# Altium PCB BGA_ACUity.PcbDoc (part 6 of 6)
Units mm, origin at the board's own origin, x right, y up, seen from the top; angles counter-clockwise.
Board outline 100 x 100.02 mm, 4 copper layers (TopSignal, Ground, Power, BottomSignal), stack 1.564 mm thick; 445 components, 325 nets, 2065 pads, 376 vias.
Unrouted connection lines stored in the file: 419.
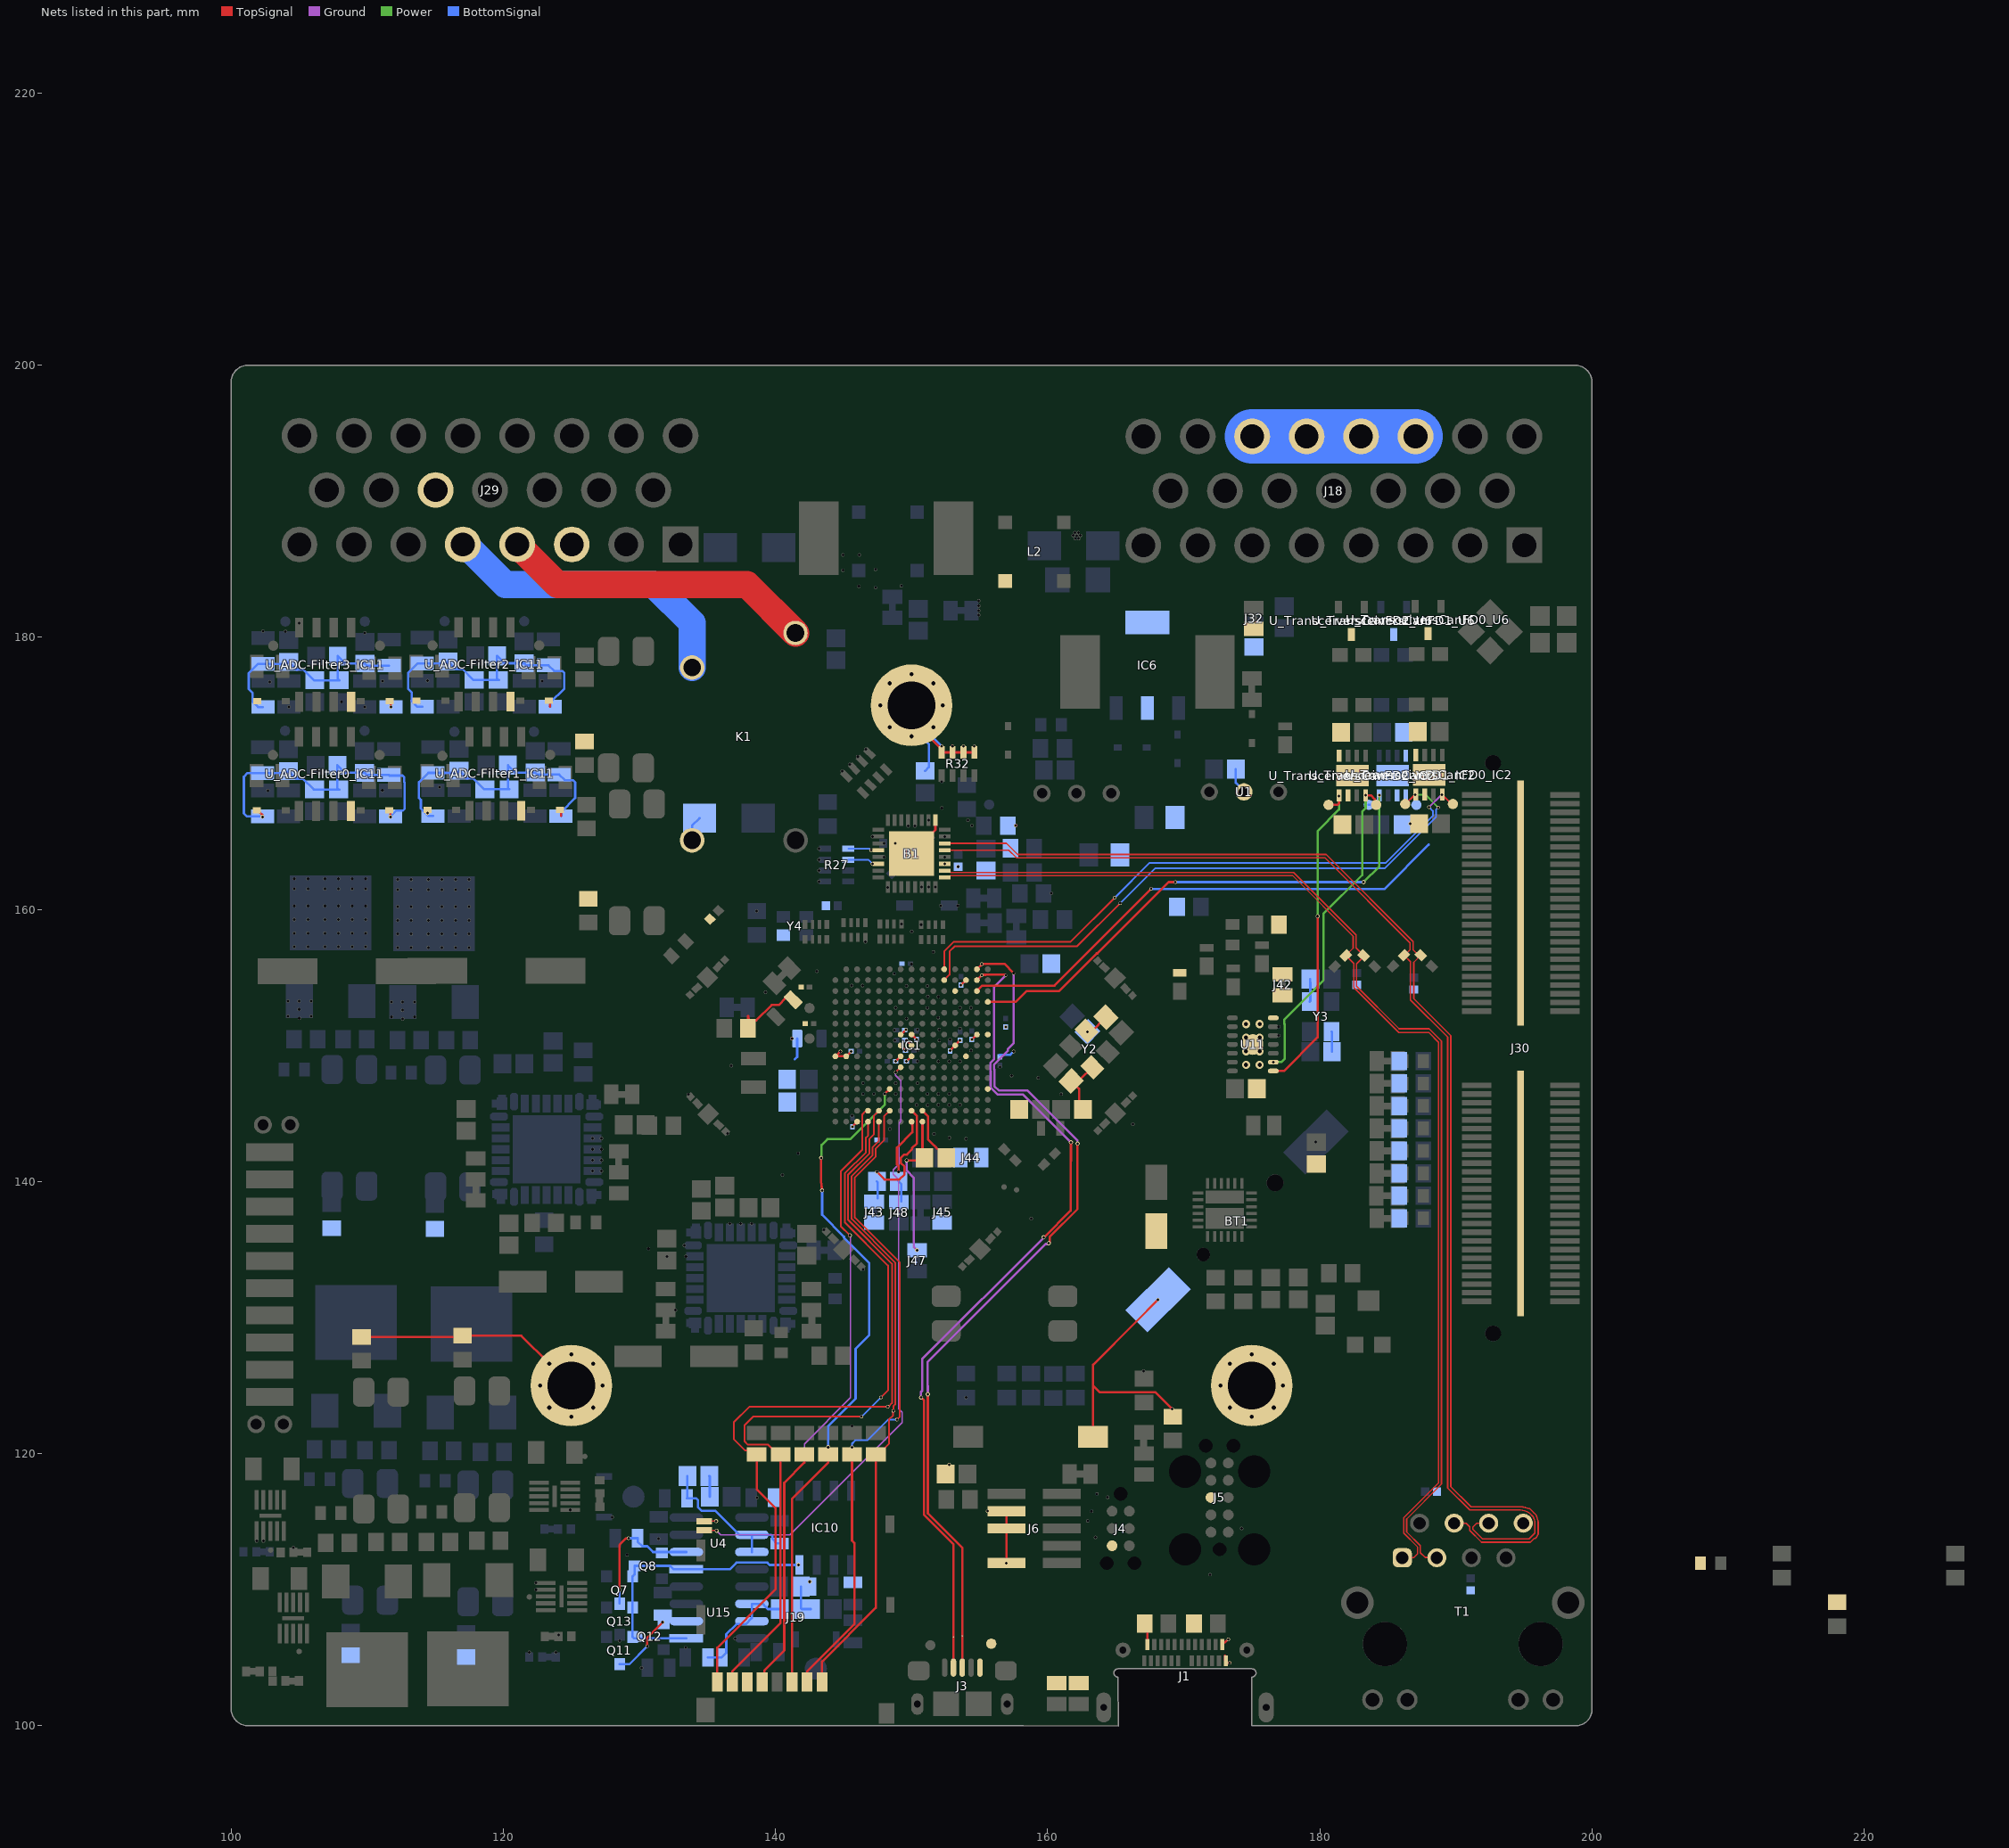
[diagram p8: the nets of this part, all layers, seen from the top]

## Via types
v1: diameter 0.3, hole 0.2, TopSignal to BottomSignal, tented both sides, 223 vias
v2: diameter 0.25/0.25/0.25/0.25 (per signal layer), hole 0.2, TopSignal to BottomSignal, tented both sides, 63 vias
v3: diameter 0.5, hole 0.2, TopSignal to BottomSignal, 32 vias
v4: diameter 0.5, hole 0.3, TopSignal to BottomSignal, 24 vias
v5: diameter 0.3, hole 0.2, TopSignal to BottomSignal, 15 vias
v6: diameter 0.3/0.3/0.3/0.3 (per signal layer), hole 0.2, TopSignal to BottomSignal, tented both sides, 11 vias
v7: diameter 0.6, hole 0.3, TopSignal to BottomSignal, 8 vias

## Nets (pads, with @x,y where several pads share a name; then routed paths per layer and width w, separated by ;. In a path a pad name is that pad's centre, name@x,y a point inside that pad or via, vN(x,y) a via of type N, cw(c..) or ccw(c..) an arc to the next point about the centre after c; other vN are vias at no path point) (continued)
RX_CAN0: IC1.A11 pad.1@164.922,160.858 pad.1@188.02,167.513 pad.1@188.963,168.426 U_TransceiversCanFD0_IC2.4 U_TransceiversCanFD0_TP6.P2 | length 44.5
  TopSignal w0.131: IC1.A11@152.4,155.6 152.4,156.921 153.103,157.624 161.688,157.624 pad.1@164.922,160.858 ; U_TransceiversCanFD0_IC2.4@188.995,168.443 188.995,168.426 189.678,167.743 U_TransceiversCanFD0_TP6.P2@189.77,167.743
  Ground w0.131: pad.1@188.02,167.513 188.035,167.513 188.948,168.426 pad.1@188.963,168.426
  BottomSignal w0.131: pad.1@164.922,160.858 167.49,163.425 184.843,163.425 188.296,166.878 188.296,167.237 pad.1@188.02,167.513
RX_CAN1: IC1.D15 pad.1@169.384,162.004 U_TransceiversCanFD1_IC2.4 U_TransceiversCanFD1_TP6.P2 | length 39.5
  TopSignal w0.171: IC1.D15@155.6,153.2 157.645,153.2 158.451,154.006 160.843,154.006 163.6,156.763 163.647,156.763 168.885,162.001 169.367,162.001 pad.1@169.384,162.004
  Power w0.171: v1(183.213,162.004) 184.366,163.157 v1(184.366,168.384)
  BottomSignal w0.171: pad.1@169.384,162.004 v1(183.213,162.004) ; U_TransceiversCanFD1_TP6.P2@183.591,167.684 184.266,167.684 184.366,167.784 v1(184.366,168.384)
RX_CAN2: U11.2 U_TransceiversCanFD2_IC2.4 U_TransceiversCanFD2_TP6.P2 | length 24
  TopSignal w0.171: v1(183.36,168.383) 183.742,168.383 184.024,168.101 184.024,167.794 U_TransceiversCanFD2_TP6.P2@184.135,167.683
  Power w0.171: v1(176.575,148.775) 177.172,148.775 177.41,149.014 177.41,151.555 177.375,151.591 177.375,151.879 180.267,154.77 180.267,159.674 183.105,162.512 183.105,167.183 183.36,167.438 v1(183.36,168.383)
RXCLK_7: B1.20 pad.1@147.025,164.35 R27.5 | length 1.7
  BottomSignal w0.131: R27.5@145.35,164.45 146.892,164.45 146.993,164.35 pad.1@147.025,164.35
SD_CD: IC1.K7 J19.9 J19.10 pad.1@148.832,148.032 | length 45.9
  TopSignal w0.09: J19.10@134.761,114.379 134.786,114.354 135.655,114.354 v1(135.68,114.329) ; J19.9@134.761,115.039 v1(135.644,115.039) ; pad.1@148.832,148.032 IC1.K7@149.2,148.4
  Ground w0.09: v1(135.68,114.329) 135.97,114.039 141.07,114.039 149.315,122.284 149.315,123.049 149.062,123.302 149.062,140.129 148.655,140.536 148.655,140.864 149.079,141.288 149.079,144.268 149.227,144.416 149.227,147.396 148.832,147.791 pad.1@148.832,148.032
SD_CLK: IC1.P4 J19.5 J56.P0 | length 45.9
  TopSignal w0.131: v5(145.475,136.045) 144.808,136.711 144.808,140.755 146.38,142.327 146.38,144.935 146.589,145.144 146.744,145.144 IC1.P4@146.8,145.2
  TopSignal w0.171: J19.5@139.026,103.214 139.182,103.37 139.182,104.07 140.647,105.535 140.647,117.862 142.125,119.34 J56.P0@142.125,119.95
  Ground w0.09: 142.125,119.95 142.125,120.725 145.515,124.115 145.515,136.005 v5(145.475,136.045)
SD_CMD: IC1.M6 J19.3 J55.P0 pad.1@148.032,146.432 | length 50.4
  TopSignal w0.171: J19.3@141.226,103.214 141.226,116.691 143.875,119.34 v6(143.875,120.475) ; v6(143.361,141.736) 143.361,140.008 v6(143.428,139.348) ; v2(148.032,146.432) IC1.M6@148.4,146.8
  Power w0.171: v6(143.361,141.736) 143.384,141.759 143.384,142.68 143.814,143.11 145.51,143.11 148.032,145.632 v2(148.032,146.432)
  BottomSignal w0.171: v6(143.428,139.348) 143.428,137.551 145.04,135.939 145.04,135.864 146.885,134.019 146.885,128.697 145.888,127.7 145.888,124.038 143.875,122.025 v6(143.875,120.475)
SD_DATA0: IC1.R4 J19.7 J57.P0 pad.1@146.323,122.716 pad.1@147.752,124.13 | length 55.8
  TopSignal w0.131: J57.P0@140.375,119.95 140.175,119.95 139.467,120.658 137.981,120.658 137.733,120.906 137.733,122.094 138.355,122.716 pad.1@146.323,122.716 ; IC1.R4@146.8,144.4 146.8,143.362 146.656,143.218 146.656,142.149 145.097,140.59 145.097,137.009 148.277,133.83 148.277,124.655 pad.1@147.752,124.13
  TopSignal w0.171: J19.7@136.826,103.214 136.826,103.999 140.375,107.548 J57.P0@140.375,119.95
  BottomSignal w0.131: pad.1@146.323,122.716 146.355,122.733 pad.1@147.752,124.13
SD_DATA1: IC1.P5 J19.8 J58.P0 pad.1@148.255,123.445 | length 58.4
  TopSignal w0.131: J58.P0@138.625,119.95 138.342,120.233 137.78,120.233 136.931,121.082 136.931,122.301 138.076,123.445 pad.1@148.255,123.445 148.327,123.478 148.568,123.72 148.568,133.947 145.33,137.186 145.33,140.494 146.888,142.052 146.888,143.122 147.218,143.452 147.218,144.818 IC1.P5@147.6,145.2
  TopSignal w0.171: J19.8@135.726,103.214 135.726,105.741 140.006,110.021 140.006,116.013 138.625,117.394 J58.P0@138.625,119.95
SD_DATA2: IC1.R5 J19.1 J53.P0 pad.1@148.667,123.138 | length 45.7
  TopSignal w0.131: J53.P0@147.375,119.95 147.575,119.95 148.339,120.714 148.339,122.511 148.646,122.817 148.646,123.117 148.671,123.142 148.671,123.493 148.801,123.623 148.801,134.043 145.6,137.245 145.6,140.391 147.121,141.912 147.121,142.5 147.6,142.979 IC1.R5@147.6,144.4
  TopSignal w0.171: J19.1@143.427,103.214 143.427,104.715 147.375,108.663 J53.P0@147.375,119.95
SD_DATA3: IC1.P6 J19.2 J54.P0 pad.1@145.625,120.475 pad.1@148.92,122.504 | length 47.8
  TopSignal w0.131: IC1.P6@148.4,145.2 147.98,144.78 147.98,143.031 147.353,142.403 147.353,141.816 145.832,140.295 145.832,137.341 149.141,134.032 149.141,122.725 pad.1@148.92,122.504
  TopSignal w0.171: J19.2@142.326,103.214 142.326,103.999 145.797,107.471 145.797,113.433 145.625,113.606 J54.P0@145.625,119.95
  BottomSignal w0.131: pad.1@145.625,120.475 145.625,120.73 145.87,120.975 146.756,120.975 148.285,122.504 pad.1@148.92,122.504
ShutdownIN_3: J29.4 K1.4 | length 23.1
  TopSignal w2: J29.4@121.031,186.818 123.979,183.87 137.915,183.87 K1.4@141.47,180.315
ShutdownOUT_3: J29.5 K1.3 | length 22.5
  BottomSignal w2: J29.5@117.031,186.818 117.2,186.818 120.148,183.87 131.055,183.87 133.88,181.045 K1.3@133.88,177.775
SIGNAL_GND: 1.1 B1.3 B1.9 B1.33 BT1.1 C1.1 C2.1 C3.1 C4.1 C5.1 C8.1 C10.1 C12.1 C13.1 C14.1 C15.1 C16.1 C17.1 C18.1 C19.1 C20.1 C21.1 C22.1 C23.2 C24.2 C25.2 C26.1 C29.1 C31.1 C33.1 C38.1 C39.1 C40.2 C41.1 C42.2 C43.2 C44.2 C45.2 C46.2 C47.2 C48.2 C49.1 C50.1 C51.1 C52.1 C53.1 C54.1 C55.1 C56.1 C58.1 C59.1 C60.1 C61.1 C62.1 C63.1 C67.1 C69.1 C75.1 C76.1 C77.1 D15.1 D26.K IC1.B13 IC1.C12 IC1.G7 IC1.G8 IC1.G14 IC1.G15 IC1.H7 IC1.H8 IC1.H12 IC1.J1 IC1.J2 IC1.J7 IC1.J8 IC1.J13 IC1.R3 IC6.2 IC6.4 IC10.4 J1.A1 J1.A12 J1.B1 J3.5 J4.5 J5.3 J6.03 J6.05 J6.09 J18.18 J18.19 J18.20 J18.21 J19.6 J29.3 J29.13 J30.G1 J30.G2 J32.P0 J36.1 J42.P0 J42.P1 J43.P1 J44.P1 J45.P1 J69.P1 J70.P1 K1.2 L2.2 MTH1.1 MTH2.1 MTH3.1 pad.1@111.74,174.872 pad.1@141.22,150.507 pad.1@145.661,144.024 pad.1@148.805,164.85 pad.1@148.832,148.832 pad.1@149.568,149.632 pad.1@149.581,151.167 pad.1@149.632,148.832 pad.1@149.633,150.367 pad.1@150.368,150.432 pad.1@152.45,163.35 pad.1@152.216,171.988 pad.1@152.832,149.632 pad.1@153.014,171.991 pad.1@153.416,163.136 pad.1@153.568,150.368 pad.1@153.816,171.988 pad.1@154.432,150.432 pad.1@154.616,171.988 pad.1@157.641,166.157 pad.1@168.109,131.309 pad.1@169.158,123.277 pad.1@173.38,104.623 pad.1@173.279,106.35 Q7.2 Q8.3 Q11.2 Q12.3 Q13.2 R2.1 R3.1 R4.2 R11.2 R12.2 R13.2 R14.2 R15.2 R16.2 R17.2 R18.2 R20.2 R31.1 R32.1 R32.2 R32.3 R32.4 R37.1 R40.2 R47.2 R59.2 R79.2 R92.1 R93.1 S1.2 T1.8 TP1.P2 U1.2 U4.1 U11.7 U11.15 U15.1 U_ADC-Filter0_C78.1 U_ADC-Filter0_C79.1 U_ADC-Filter0_C80.1 U_ADC-Filter0_C81.1 U_ADC-Filter0_C88.1 U_ADC-Filter0_D22.1 U_ADC-Filter0_D23.1 U_ADC-Filter0_IC11.4 U_ADC-Filter0_R85.1 U_ADC-Filter0_R86.1 U_ADC-Filter0_R87.2 U_ADC-Filter0_R88.1 U_ADC-Filter1_C78.1 U_ADC-Filter1_C79.1 U_ADC-Filter1_C80.1 U_ADC-Filter1_C81.1 U_ADC-Filter1_C88.1 U_ADC-Filter1_D22.1 U_ADC-Filter1_D23.1 U_ADC-Filter1_IC11.4 U_ADC-Filter1_R85.1 U_ADC-Filter1_R86.1 U_ADC-Filter1_R87.2 U_ADC-Filter1_R88.1 U_ADC-Filter2_C78.1 U_ADC-Filter2_C79.1 U_ADC-Filter2_C80.1 U_ADC-Filter2_C81.1 U_ADC-Filter2_C88.1 U_ADC-Filter2_D22.1 U_ADC-Filter2_D23.1 U_ADC-Filter2_IC11.4 U_ADC-Filter2_R85.1 U_ADC-Filter2_R86.1 U_ADC-Filter2_R87.2 U_ADC-Filter2_R88.1 U_ADC-Filter3_C78.1 U_ADC-Filter3_C79.1 U_ADC-Filter3_C80.1 U_ADC-Filter3_C81.1 U_ADC-Filter3_C88.1 U_ADC-Filter3_D22.1 U_ADC-Filter3_D23.1 U_ADC-Filter3_IC11.4 U_ADC-Filter3_R85.1 U_ADC-Filter3_R86.1 U_ADC-Filter3_R87.2 U_ADC-Filter3_R88.1 U_Mosfets0_R45.1 U_Mosfets1_R45.1 U_Mosfets2_R45.1 U_Mosfets3_R45.1 U_Mosfets4_R45.1 U_Mosfets5_R45.1 U_TransceiversCanFD0_C6.1 U_TransceiversCanFD0_C7.1 U_TransceiversCanFD0_IC2.2 U_TransceiversCanFD0_IC2.8 U_TransceiversCanFD0_IC2.9 U_TransceiversCanFD0_U6.3 U_TransceiversCanFD1_C6.1 U_TransceiversCanFD1_C7.1 U_TransceiversCanFD1_IC2.2 U_TransceiversCanFD1_IC2.8 U_TransceiversCanFD1_IC2.9 U_TransceiversCanFD1_U6.3 U_TransceiversCanFD2_C6.1 U_TransceiversCanFD2_C7.1 U_TransceiversCanFD2_IC2.2 U_TransceiversCanFD2_IC2.8 U_TransceiversCanFD2_IC2.9 U_TransceiversCanFD2_U6.3 Y2.2 Y2.4 Y3.2 Y3.4 Y4.2 | length 210.3
  TopSignal w0.171: U_ADC-Filter0_D23.1@101.898,167.283 101.968,167.283 102.292,166.959 102.292,166.816 v1(102.316,166.791) ; U_Mosfets0_R45.1@109.595,128.582 116.926,128.582 U_Mosfets1_R45.1@117.011,128.667 121.333,128.667 v4(123.384,126.616) MTH2.1@125,125 ; U_ADC-Filter3_D22.1@111.652,175.314 111.722,175.314 pad.1@111.74,174.872 ; U_ADC-Filter0_D22.1@111.698,167.283 U_ADC-Filter0_D22.1@111.628,167.283 111.716,167.195 v1(111.716,166.791) ; U_ADC-Filter2_D22.1@123.356,175.334 123.426,175.334 123.444,174.892 ; U_ADC-Filter1_D22.1@124.157,167.3 124.227,167.3 124.245,166.858 ; R47.2@138.124,151.459 138.109,151.547 138.001,152.143 137.987,152.143 137.984,152.14 R47.2@137.984,151.257 138.134,151.407 138.155,151.288 138.222,150.92 R47.2@138.222,151.512 ; R47.2@138.134,151.507 R47.2@138.189,151.562 ; R47.2@138.239,151.512 138.239,151.612 138.474,151.847 138.598,151.847 139.723,152.971 139.823,152.971 139.828,152.976 140.246,152.976 140.756,153.485 141.172,153.485 C42.2@141.296,153.361 ; v2(144.768,149.568) IC1.J1@144.4,149.2 IC1.J2@145.2,149.2 v2@145.568,149.568 ; pad.1@145.661,144.024 IC1.R3@146,144.4 ; pad.1@148.832,148.832 IC1.J7@149.2,149.2 ; IC1.H7@149.2,150 pad.1@149.568,149.632 ; IC1.G7@149.2,150.8 149.219,150.799 149.581,151.161 pad.1@149.581,151.167 ; pad.1@149.632,148.832 IC1.J8@150,149.2 ; pad.1@149.633,150.367 IC1.H8@150,150 ; IC1.G8@150,150.731 IC1.G8@150,150.8 ; IC1.G8@150,150.869 IC1.G8@150,150.8 ; B1.33@150,164.1 151.75,165.85 B1.9@151.75,166.55 ; pad.1@150.368,150.432 IC1.G8@150,150.8 ; MTH1.1@151.394,172.585 152.216,171.763 R32.4@152.216,171.538 R32.3@153.016,171.538 R32.2@153.816,171.538 R32.1@154.616,171.538 ; pad.1@152.832,149.632 IC1.H12@153.2,150 pad.1@153.568,150.368 ; v2@153.632,154.432 IC1.B13@154,154.8 ; pad.1@154.432,150.432 IC1.G14@154.8,150.8 ; v1(156.965,111.96) J6.05@156.965,114.5 J6.03@156.965,115.77 ; C4.1@162.587,145.299 162.308,145.578 162.308,146.81 C2.1@161.729,147.389 161.433,147.685 161.777,147.609 162.369,147.478 Y2.2@163.28,148.389 ; v1(162.927,151.006) 163.209,151.006 C3.1@164.28,152.077 ; S1.2@163.34,121.25 163.34,125 ; R2.1@167.125,107.5 167.338,107.287 J1.A1@167.338,105.976 ; pad.1@168.109,131.309 166.521,129.721 163.34,126.54 163.34,125 ; pad.1@169.158,123.277 167.91,124.525 163.815,124.525 163.34,125 ; R4.2@170.753,107.518 R4.2@171.04,107.805 ; J1.A12@172.838,105.976 172.882,106.02 pad.1@173.279,106.35 ; J1.B1@173.023,105.155 173.023,104.841 J1.B1@173.088,104.776 173.088,104.687 173.153,104.623 pad.1@173.38,104.623 pad.1@173.431,104.623
  BottomSignal w0.171: v1(102.316,166.791) 102.318,166.792 U_ADC-Filter0_R88.1@102.318,166.841 ; U_ADC-Filter0_R88.1@102.316,166.841 101.15,166.841 100.941,167.05 100.941,169.742 101.215,170.016 U_ADC-Filter0_R87.2@102.318,170.016 104.073,170.016 U_ADC-Filter0_C79.1@104.223,170.166 104.788,169.601 105.284,169.601 106.078,168.807 U_ADC-Filter0_C88.1@106.128,168.807 U_ADC-Filter0_C78.1@107.906,168.807 ; U_ADC-Filter3_R88.1@102.342,174.872 101.992,174.872 101.577,175.287 101.577,175.922 101.305,176.195 101.305,177.36 101.992,178.047 U_ADC-Filter3_R87.2@102.342,178.047 104.097,178.047 U_ADC-Filter3_C79.1@104.247,178.197 104.812,177.632 105.308,177.632 106.102,176.838 U_ADC-Filter3_C88.1@106.152,176.838 U_ADC-Filter3_C78.1@107.93,176.838 ; U_ADC-Filter0_C78.1@107.956,168.807 U_ADC-Filter0_C78.1@107.906,168.807 ; U_ADC-Filter3_C78.1@107.98,176.838 U_ADC-Filter3_C78.1@107.93,176.838 ; U_ADC-Filter3_R86.1@111.613,177.92 109.985,177.92 U_ADC-Filter3_C80.1@109.835,178.07 108.387,178.07 U_ADC-Filter3_C81.1@107.841,178.616 107.841,176.927 U_ADC-Filter3_C78.1@107.93,176.838 ; U_ADC-Filter0_R85.1@111.716,166.841 112.131,167.256 112.622,167.256 112.753,167.387 112.753,169.318 112.722,169.349 112.722,169.706 112.595,169.833 111.645,169.833 U_ADC-Filter0_R86.1@111.589,169.889 109.961,169.889 U_ADC-Filter0_C80.1@109.811,170.039 108.363,170.039 U_ADC-Filter0_C81.1@107.817,170.585 107.817,168.896 U_ADC-Filter0_C78.1@107.906,168.807 ; U_ADC-Filter2_R88.1@114.046,174.892 113.696,174.892 113.281,175.307 113.281,175.942 113.009,176.215 113.009,177.38 113.696,178.067 U_ADC-Filter2_R87.2@114.046,178.067 115.801,178.067 U_ADC-Filter2_C79.1@115.951,178.217 116.516,177.652 117.012,177.652 117.806,176.858 U_ADC-Filter2_C88.1@117.856,176.858 U_ADC-Filter2_C78.1@119.634,176.858 ; U_ADC-Filter1_R88.1@114.847,166.858 114.497,166.858 113.946,167.409 113.946,168.045 113.81,168.181 113.81,169.346 114.497,170.033 116.602,170.033 U_ADC-Filter1_C79.1@116.752,170.183 117.317,169.619 117.813,169.619 U_ADC-Filter1_C88.1@118.607,168.824 ; U_ADC-Filter1_C88.1@118.657,168.824 U_ADC-Filter1_C88.1@118.607,168.824 ; U_ADC-Filter2_C78.1@119.684,176.858 U_ADC-Filter2_C78.1@119.634,176.858 ; U_ADC-Filter2_R85.1@123.444,174.892 123.459,174.907 123.459,175.193 124.481,176.215 124.481,177.369 124.325,177.525 123.732,177.525 U_ADC-Filter2_R86.1@123.317,177.94 121.689,177.94 U_ADC-Filter2_C80.1@121.539,178.09 120.091,178.09 U_ADC-Filter2_C81.1@119.545,178.636 119.545,176.947 U_ADC-Filter2_C78.1@119.634,176.858 ; U_ADC-Filter1_R85.1@124.245,166.858 124.26,166.873 124.26,167.159 125.282,168.181 125.282,169.336 125.126,169.492 124.533,169.492 U_ADC-Filter1_R86.1@124.118,169.906 122.49,169.906 U_ADC-Filter1_C80.1@122.34,170.056 120.892,170.056 U_ADC-Filter1_C81.1@120.346,170.602 120.346,168.913 U_ADC-Filter1_C78.1@120.435,168.824 U_ADC-Filter1_C88.1@118.657,168.824 U_ADC-Filter1_C88.1@118.607,168.824 ; U15.1@133.444,106.419 129.61,106.419 Q11.2@129.499,106.53 Q13.2@129.499,108.689 Q7.2@129.499,110.975 129.65,111.126 Q8.3@129.65,111.753 132.266,111.753 132.52,111.499 U4.1@133.444,111.499 136.643,111.499 137.141,111.997 139.401,111.997 139.576,111.822 IC10.4@141.757,111.822 ; K1.2@133.875,165.075 133.875,166.15 D15.1@134.425,166.7 ; C67.1@135.139,118.357 135.179,118.317 C69.1@135.179,116.833 ; 141.415,148.971 141.6,149.156 C41.1@141.6,150.507 ; C77.1@141.87,110.229 141.87,108.636 C76.1@141.928,108.578 C75.1@142.603,108.578 ; MTH1.1@150,173.423 151.275,172.148 151.275,170.45 C23.2@151,170.175 ; MTH1.1@150,175 150,174.225 152.216,172.009 pad.1@152.216,171.988 ; C47.2@156.489,149.311 157.265,149.311 v2(157.5,149.546) ; C29.1@173.825,170.307 173.825,169.294 174.422,168.697 U1.2@174.422,168.631 ; Y3.4@179.255,153.225 179.3,153.27 179.3,154.625 179.293,154.632 C13.1@179.293,154.876 ; Y3.2@180.855,151.025 180.893,150.987 C14.1@180.893,149.542
  BottomSignal w4: J18.21@175.028,194.762 J18.20@179.028,194.762 J18.19@183.028,194.762 J18.18@187.028,194.762
  other v1: 142.522,110.59 141.69,111.822 186.645,166.293 114.427,167.075
  other v2: 155.57,115.77 152.757,119.2 145.563,149.563 156.921,151.354 153.632,154.427
  other v4: 125,122.714 175,122.714 123.384,123.384 126.616,123.384 173.384,123.384 176.616,123.384 122.714,125 127.286,125 172.714,125 177.286,125 126.616,126.616 173.384,126.616 176.616,126.616 125,127.286 175,127.286 150,172.714 148.384,173.384 151.616,173.384 147.714,175 152.286,175 148.384,176.616 151.616,176.616 150,177.286
  other v7: 174.575,148.575 175.575,148.575 174.575,149.575 175.575,149.575 174.575,150.575 175.575,150.575 174.575,151.575 175.575,151.575
SupplyDown_11: C76.2 R75.2 R78.2 U15.6 U15.7 | length 8.5
  BottomSignal w0.171: R78.2@135.031,105.022 R75.2@136.048,105.022 136.388,105.361 136.388,106.729 137.128,107.469 137.817,107.469 138.271,107.922 U15.6@138.271,108.959 139.072,108.959 139.281,108.75 139.281,108.747 139.45,108.578 C76.2@140.317,108.578
Supplyup_11: C67.2 R71.2 R73.2 U4.6 U4.7 | length 11.5
  BottomSignal w0.171: C67.2@133.528,118.357 133.528,116.726 R71.2@133.507,116.706 134.188,116.706 134.319,116.576 134.319,116.048 134.56,115.807 135.58,115.807 137.348,114.039 U4.6@138.271,114.039 ; U4.7@138.271,112.769 U4.6@138.271,114.039 ; R73.2@140.302,113.404 140.106,113.404 139.767,113.743 139.767,113.939 139.667,114.039 U4.6@138.271,114.039
TP_A_N: B1.2 R23.2 T1.3 | length 84.7
  TopSignal w0.108: B1.2@152.45,162.85 152.725,162.85 152.875,162.7 178.075,162.7 182.66,158.115 182.66,157.165 R23.2@183.218,156.607 183.218,156.518 182.702,156.002 182.702,154.345 185.822,151.225 188.033,151.225 188.935,150.323 188.935,117.758 186.375,115.198 186.375,114.247 187.379,113.243 187.379,112.725 187.732,112.372 188.573,112.372 T1.3@188.595,112.35
TP_A_P: B1.1 R24.2 T1.1 | length 84.4
  TopSignal w0.108: B1.1@152.45,162.35 152.725,162.35 152.866,162.49 177.988,162.49 182.45,158.028 182.45,157.15 R24.2@181.907,156.607 182.492,156.022 182.492,154.258 185.8,150.95 188.012,150.95 188.725,150.237 188.725,117.845 186.165,115.285 186.165,114.16 187.169,113.156 187.169,112.623 186.896,112.35 T1.1@186.055,112.35
TP_B_N: B1.5 R21.2 T1.6 | length 93.4
  TopSignal w0.108: B1.5@152.45,164.35 157.143,164.35 157.692,163.8 180.358,163.8 186.619,157.539 186.619,157.025 186.225,156.632 R21.2@186.182,156.632 186.665,156.149 186.665,153.337 189.39,150.612 189.39,120.311 189.39,117.475 191.01,115.855 194.73,115.855 cw(c194.73,114.754) 195.485,115.555 cw(c194.945,114.89) 195.801,114.89 195.801,114.151 195.375,113.725 191.941,113.725 191.253,114.413 191.253,114.625 191.518,114.89 T1.6@192.405,114.89
TP_B_P: B1.6 R22.2 T1.4 | length 94.9
  TopSignal w0.108: B1.6@152.45,164.85 156.975,164.85 157.79,164.035 180.455,164.035 186.854,157.637 186.854,157.025 187.248,156.632 R22.2@187.418,156.632 186.9,156.113 186.9,153.434 189.625,150.709 189.625,117.572 191.007,116.191 191.107,116.09 194.827,116.09 194.921,116.076 cw(c194.73,114.754) 195.093,116.04 195.434,115.944 195.686,115.692 195.701,115.677 cw(c194.945,114.89) 195.732,115.646 195.747,115.631 195.808,115.57 195.893,115.485 195.962,115.288 195.968,115.272 cw(c194.945,114.89) 196.02,115.081 196.036,114.988 196.037,114.053 195.893,113.826 195.829,113.762 195.745,113.762 195.473,113.49 191.88,113.49 191.017,114.352 191.017,114.625 190.752,114.89 T1.4@189.865,114.89
TriggerDown_11: pad.1@130.581,105.842 pad.1@131.709,107.609 Q11.3 Q12.1 R77.2 U15.2 | length 4.8
  TopSignal w0.171: pad.1@130.581,105.842 130.581,106.481 pad.1@131.709,107.609
  BottomSignal w0.171: Q11.3@128.549,104.53 129.269,104.53 pad.1@130.581,105.842
Triggerup_11: pad.1@128.549,109.975 pad.1@129.201,113.785 Q7.3 Q8.1 R72.2 U4.2 | length 10
  TopSignal w0.171: pad.1@128.549,109.975 128.549,113.276 128.572,113.299 128.572,113.322 129.02,113.77 129.186,113.77 pad.1@129.201,113.785
  BottomSignal w0.171: Q7.3@128.549,108.975 pad.1@128.549,109.975 ; pad.1@129.201,113.785 R72.2@129.882,113.785 129.882,113.535 130.222,113.195 130.575,113.195 131.001,112.769 U4.2@133.444,112.769
TX_CAN0: IC1.B11 pad.1@165.33,160.45 pad.1@187.013,168.426 pad.1@188.697,167.488 U_TransceiversCanFD0_IC2.1 U_TransceiversCanFD0_TP5.P2 | length 46
  TopSignal w0.131: IC1.B11@152.4,154.8 152.798,155.198 152.798,156.921 153.163,157.286 162.166,157.286 pad.1@165.33,160.45 ; U_TransceiversCanFD0_TP5.P2@186.27,167.743 186.3,167.743 pad.1@187,168.443 ; pad.1@187.013,168.426 pad.1@187,168.443 ; U_TransceiversCanFD0_IC2.1@187.045,168.443 pad.1@187,168.443
  Power w0.131: pad.1@187.013,168.426 187.758,168.426 pad.1@188.697,167.488
  BottomSignal w0.131: pad.1@165.33,160.45 167.898,163.017 184.764,163.017 188.528,166.782 188.528,167.319 pad.1@188.697,167.488
TX_CAN1: IC1.C14 pad.1@167.6,161.503 U_TransceiversCanFD1_IC2.1 U_TransceiversCanFD1_TP5.P2 | length 37.7
  TopSignal w0.171: IC1.C14@154.8,154 155.2,154.4 160.496,154.4 pad.1@167.6,161.503
  BottomSignal w0.171: pad.1@167.6,161.503 169.205,161.503 169.215,161.493 184.734,161.493 187.998,164.757
TX_CAN2: U11.1 U_TransceiversCanFD2_IC2.1 U_TransceiversCanFD2_TP5.P2 | length 24.1
  TopSignal w0.171: U11.1@176.575,148.125 177.354,148.125 179.831,150.602 v1(179.831,159.497) ; U_TransceiversCanFD2_TP5.P2@180.635,167.683 181.31,167.683 181.41,167.783 v1(181.41,168.333)
  Power w0.171: v1(179.831,159.497) 179.831,165.754 181.41,167.333 v1(181.41,168.333) v1@181.41,168.383
TXCLK_7: B1.22 pad.1@147.125,163.35 R27.6 | length 1.9
  BottomSignal w0.131: R27.6@145.35,163.65 146.825,163.65 pad.1@147.125,163.35
USB_DEBUG_N: IC1.B14 J3.2 TP3.P2 | length 62.7
  TopSignal w0.171: v1(150.697,124.132) 150.923,123.906 150.923,115.501 153.087,113.337 TP3.P2@153.087,106.52 153.087,105.045 153.077,105.035 J3.2@153.077,104.275 ; IC1.B14@154.822,154.808 154.822,154.826 155.158,155.161 v2(155.158,155.165) 155.182,155.19 155.424,155.19 155.434,155.2 156.858,155.2 v2(156.915,155.143) ; v1(159.709,135.905) 159.742,135.905 161.682,137.845 161.682,141.471 161.708,141.497 v1(161.708,142.879)
  Ground w0.171: v1(150.697,124.132) 150.697,124.531 150.781,124.615 150.781,126.944 159.709,135.872 v1(159.709,135.905) ; v2(156.915,155.143) 156.066,154.294 156.066,148.988 155.792,148.715 155.792,148.129 155.813,148.108 155.813,146.902 156.31,146.406 158.181,146.406 v1(161.708,142.879)
USB_DEBUG_P: IC1.A14 J3.3 TP2.P2 | length 64.3
  TopSignal w0.171: v1@151.199,124.368 v1(151.195,124.364) 151.195,115.614 153.727,113.082 TP2.P2@153.727,106.602 J3.3@153.727,104.275 ; IC1.A14@154.8,155.6 155.183,155.983 155.239,155.983 155.25,155.994 155.428,155.994 155.434,156 155.766,156 155.772,155.994 156.814,155.994 v2(157.5,155.308) ; v1(160.08,135.47) 160.08,135.505 160.144,135.569 160.144,135.923 162.197,137.976 162.197,142.782 v1(162.199,142.785)
  Ground w0.171: v1(151.195,124.364) 151.195,124.971 151.166,125 151.166,126.714 159.857,135.405 159.98,135.405 160.045,135.47 v1(160.08,135.47) ; v2(157.5,155.308) 157.5,150.162 157.065,149.726 157.065,149.602 156.065,148.602 156.065,148.242 156.086,148.221 156.086,147.015 156.422,146.678 158.524,146.678 162.175,143.028 162.175,142.809 v1(162.199,142.785)
  other v2: 155.168,155.968
VREFH0_8: C37.2 IC1.R9 J47.P1 | length 11
  TopSignal w0.171: v1(149.64,141.55) 150.75,141.55 C37.2@150.95,141.75 150.8,141.9 IC1.R9@150.8,144.4
  Ground w0.171: v1(149.64,141.55) 149.64,140.796 150.17,140.266 150.17,135.18 v1(150.4,134.95)
VREFH_8: C34.2 IC1.R8 J48.P1 pad.1@149.05,140.7 | length 5.8
  TopSignal w0.171: pad.1@149.05,140.7 149.05,141.139 148.932,141.257 148.932,142.494 150.057,143.619 150.057,144.163 150.049,144.172 150.049,144.351 IC1.R8@150,144.4
  BottomSignal w0.171: C34.2@149.05,140 149.25,139.8 J48.P1@149.25,138.525
VREFL0_8: C37.1 IC1.P9 J44.P0 | length 4.2
  TopSignal w0.171: IC1.P9@150.8,145.2 151.2,144.8 151.2,143.1 151.663,142.637 151.677,142.637 151.787,142.527 151.787,142.513 151.935,142.365 151.985,142.365 152.55,141.8 C37.1@152.55,141.75
VREFL_8: C34.1 IC1.P8 J43.P0 pad.1@147.45,140.7 | length 9.2
  TopSignal w0.171: pad.1@147.45,140.7 148.003,140.147 149.113,140.147 149.485,140.52 149.485,141.089 149.204,141.37 149.204,141.73 149.459,141.985 149.655,141.985 150.027,142.358 150.027,142.442 150.4,142.814 150.4,144.8 IC1.P8@150,145.2
  BottomSignal w0.171: C34.1@147.45,140 147.5,139.95 J43.P0@147.5,138.775
WatchdogPulse: IC1.M15 R52.2
pads on no net: B1.27 B1.28 B1.29 BT1. IC1.A7 IC1.A10 IC1.A12 IC1.A15 IC1.B1 IC1.B6 IC1.B7 IC1.B10 IC1.B12 IC1.B15 IC1.C1 IC1.C5 IC1.C6 IC1.C7 IC1.C11 IC1.C15 IC1.D1 IC1.D2 IC1.D4 IC1.D6 IC1.D7 IC1.D11 IC1.D12 IC1.D13 IC1.D14 IC1.E1 IC1.E2 IC1.E3 IC1.E4 IC1.E5 IC1.E6 IC1.E8 IC1.E11 IC1.E14 IC1.F2 IC1.F3 IC1.F4 IC1.F5 IC1.F6 IC1.F7 IC1.F10 IC1.F11 IC1.F14 IC1.F15 IC1.G3 IC1.G5 IC1.G10 IC1.G13 IC1.K1 IC1.K2 IC1.K3 IC1.K4 IC1.K5 IC1.K6 IC1.K8 IC1.K10 IC1.K11 IC1.K12 IC1.K13 IC1.L1 IC1.L2 IC1.L3 IC1.L5 IC1.L8 IC1.L10 IC1.L14 IC1.L15 IC1.M1 IC1.M2 IC1.M3 IC1.M8 IC1.M12 IC1.M13 IC1.N1 IC1.N2 IC1.N3 IC1.N4 IC1.N5 IC1.N6 IC1.N7 IC1.N13 IC1.N14 IC1.N15 IC1.P1 IC1.P2 IC1.P10 IC1.P11 IC1.P12 IC1.P13 IC1.R1 IC1.R2 IC1.R11 IC1.R12 J1.A2 J1.A3 J1.A6 J1.A7 J1.A8 J1.A9 J1.A10 J1.A11 J1.B2 J1.B3 J1.B6 J1.B7 J1.B8 J1.B9 J1.B10 J1.B11 J1.B12 J1.S4 J2._ J3.4 J4.H0 J5.7 J5.9 J5.H0 J7._ J8._ J9._ J10._ J11._ J12._ J13._ J14._ J15._ J16._ J17._ J18.3 J18.11 J27._ J30. J30.06 J30.07 J30.08 J30.14 J30.15 J30.16 J30.17 J30.18 J30.19 J30.20 J30.21 J30.22 J30.23 J30.24 J30.25 J30.26 J30.27 J30.28 J30.29 J30.30 J30.31 J30.32 J30.33 J30.34 J30.35 J30.36 J30.37 J30.38 J30.39 J30.40 J30.41 J30.42 J30.43 J30.44 J30.45 J30.46 J30.47 J30.48 J30.49 J30.50 J30.51 J30.52 J30.53 J30.54 J30.55 J30.56 J30.57 J30.58 J30.59 J30.60 J30.61 J30.62 J30.63 J30.64 J30.65 J30.66 J30.67 J30.68 J30.69 J30.70 J30.71 J30.72 J30.73 J30.74 J30.75 J30.76 J30.77 J30.78 J30.79 J30.80 J30.81 J30.82 J30.83 J30.84 J30.85 J30.86 J30.87 J30.88 J30.89 J30.90 J30.91 J30.92 J30.93 J30.94 J30.95 J30.96 J30.97 J30.98 J30.99 J30.100 J30.102 J30.104 J32._ J33._ J34._ J35._ J36.2 J37.2 J38.2 J39.2 J40.2 J42._ J43._ J44._ J45._ J46._ J47._ J48._ J51._ J52._ J59._ J60._ J62._ J63._ J64._ J66._ J67._ J68._ J71._ J72._ J75._ J76._ J77._ J78.05 J78.06 J78.07 J78.08 J78.09 J78.10 J78.S1 J78.S2 J78.S3 J78.S4 J79._ R27.7 R28.1 R33.2 R33.7 R34.1 R34.2 R34.7 R34.8 T1.7 T1.MH1 T1.MH2 U2.9 U2.17 U2.25 U3.9 U3.15 U11.3 U16.9 U16.17 U16.25 VR1.1 Y4.1

## Polygon pours and split planes (outlines as drawn)
OUTPUT2 on BottomSignal "OUTPUT2_L04_P008" (solid, remove dead copper, pour order 8): 120.465,143.467 119.165,143.467 108.93,143.467 104.583,142.813 101.095,142.813 101.095,140.813 101.095,139.513 104.583,139.541 108.93,140.5 119.165,140.483 120.465,140.467
OUTPUT4 on BottomSignal "OUTPUT4_L04_P059" (solid, remove dead copper, pour order 59): 134.725,134 133.425,134 122.375,133.911 120.425,135.663 106.186,135.663 104.595,138.813 101.095,138.813 101.095,136.813 101.095,135.513 104.595,135.513 106.186,132.942 120.425,133.138 122.488,131 133.425,131.016 134.725,131
NetU_Mosfets2_Q1_1 on BottomSignal "NETU_MOSFETS2_Q1_1_L04_P046" (solid, remove dead copper, pour order 46): 118.962,121.692 119.49,121.164 119.49,119.566 120.968,119.526 120.968,121.781 120.968,123.87 118.997,123.87 118.962,123.834
NetU_Mosfets3_Q1_1 on BottomSignal "NETU_MOSFETS3_Q1_1_L04_P045" (solid, remove dead copper, pour order 45): 110.489,121.807 111.018,121.278 111.018,119.681 112.496,119.641 112.496,121.895 112.496,123.984 110.525,123.984 110.489,123.949
NetU_Mosfets3_D16_A on BottomSignal "NETU_MOSFETS3_D16_A_L04_P043" (solid, remove dead copper, pour order 43): 105.568,120.996 105.568,119.647 105.246,118.427 105.246,117.427 106.3,117.427 106.3,118.427 106.718,119.647 106.718,120.996
NetU_Mosfets2_D16_A on BottomSignal "NETU_MOSFETS2_D16_A_L04_P041" (solid, remove dead copper, pour order 41): 114.04,120.881 114.04,119.532 113.718,118.312 113.718,117.312 114.772,117.312 114.772,118.312 115.19,119.532 115.19,120.881
NetU_Mosfets3_R44_1 on BottomSignal "NETU_MOSFETS3_R44_1_L04_P040" (solid, remove dead copper, pour order 40): 107.318,120.996 110.318,120.996 110.318,119.621 109.733,118.767 109.733,117.756 108.172,117.756 108.172,118.767 107.318,119.621
NetU_Mosfets2_R44_1 on BottomSignal "NETU_MOSFETS2_R44_1_L04_P038" (solid, remove dead copper, pour order 38): 115.896,120.881 118.896,120.881 118.896,119.506 118.311,118.652 118.311,117.641 116.749,117.641 116.749,118.652 115.896,119.506
POWER_GND on BottomSignal "POWER_GND_L04_P032" (solid, remove dead copper, pour order 32): 120.49,139.367 120.69,139.841 120.69,144.867 122.89,144.867 122.89,146.367 123.488,146.367 123.488,144.867 125.744,144.895 125.761,139.517 125.89,139.367 125.893,138.363 125.744,138.217 125.44,138.217 125.295,138.363 121.59,138.363 121.085,138.363 120.94,138.217 120.635,138.217 120.49,138.363
NetU_Mosfets4_Q1_1 on BottomSignal "NETU_MOSFETS4_Q1_1_L04_P030" (solid, remove dead copper, pour order 30): 108.614,151.909 109.397,151.126 109.397,149.776 110.784,149.738 110.784,151.163 110.62,151.997 110.62,154.086 108.649,154.086 108.614,154.051
NetU_Mosfets4_R44_1 on BottomSignal "NETU_MOSFETS4_R44_1_L04_P029" (solid, remove dead copper, pour order 29): 105.797,151.151 108.797,151.151 108.797,149.776 108.212,148.922 108.212,147.911 106.65,147.911 106.65,148.922 105.797,149.776
POWER_GND on BottomSignal "POWER_GND_L04_P027" (solid, remove dead copper, pour order 27): 134.563,129.987 134.95,130.374 134.95,135.4 137.15,135.4 137.15,136.9 137.748,136.9 137.748,135.4 140.004,135.428 140.021,130.05 140.15,129.9 140.153,128.896 140.004,128.75 140.021,128.168 139.125,127.05 133.941,126.984 131.925,129 131.925,130.025
NetU_Mosfets4_D16_A on BottomSignal "NETU_MOSFETS4_D16_A_L04_P012" (solid, remove dead copper, pour order 12): 104.046,151.126 104.046,149.777 103.492,148.723 103.492,147.723 104.508,147.723 104.508,148.739 105.196,149.777 105.196,151.126
NetU_Mosfets5_Q1_1 on BottomSignal "NETU_MOSFETS5_Q1_1_L04_P017" (solid, remove dead copper, pour order 17): 116.21,151.852 116.992,151.069 116.992,149.719 118.38,149.682 118.38,151.107 118.216,151.941 118.216,154.03 116.245,154.03 116.21,153.994
NetU_Mosfets5_D16_A on BottomSignal "NETU_MOSFETS5_D16_A_L04_P011" (solid, remove dead copper, pour order 11): 111.642,151.069 111.642,149.72 111.321,148.5 111.321,147.5 112.375,147.5 112.375,148.5 112.792,149.72 112.792,151.069
NetU_Mosfets5_R44_1 on BottomSignal "NETU_MOSFETS5_R44_1_L04_P009" (solid, remove dead copper, pour order 9): 113.392,151.094 116.392,151.094 116.392,149.719 115.807,148.865 115.807,147.854 114.246,147.854 114.246,148.865 113.392,149.719
no net on Power "+3V3_L03_P026" (solid, remove dead copper, pour order 26): 202.632,147.369 202.641,147.36 202.641,86.868 106.731,86.868 95.504,98.095 96.698,99.289 96.698,208.585 105.283,200 230.963,200
no net on Power "SIGNAL_GND_L03_P021" (solid, remove dead copper, pour order 21): 99.695,203.368 100.738,202.325 200,202.325 200,98.324 199.415,97.739 197.587,99.568 99.492,99.568
MOSFETS5 on Power "MOSFETS5_L03_P049" (solid, remove dead copper, pour order 49): 112.201,157.153 112.201,162.194 117.708,190.84 cw(c119.02,190.84) 119.02,192.153 cw(c119.02,190.84) 120.302,190.559 120.441,188.626 119.253,180.726 117.492,162.194 117.492,157.153
MOSFETS4 on Power "MOSFETS4_L03_P048" (solid, remove dead copper, pour order 48): 104.647,157.251 104.647,162.251 115.719,194.818 cw(c117.031,194.818) 117.031,196.131 cw(c117.031,194.818) 118.313,194.537 117.835,192.357 115.64,184.568 109.897,162.251 109.897,157.251
MOSFETS4 on Power "MOSFETS4_L03_P020" (solid, remove dead copper, pour order 20): 104.647,162.251 109.897,162.251 109.897,157.251 104.647,157.251
OUTPUT1 on TopSignal "OUTPUT1_L01_P033" (solid, pour order 33): 107.584,139.512 114.6,146.912 117.648,146.912 121.009,139.904 127.215,139.826 127.215,143.467 125.798,144.884 123.65,150.394 117.568,150.394 111.642,150.394 104.583,142.813 101.095,142.813 101.095,139.513
OUTPUT3 on TopSignal "OUTPUT3_L01_P061" (solid, remove dead copper, pour order 61): 141.449,134 133.425,134 131.574,135.663 109.936,135.663 108.344,138.813 101.095,138.813 101.095,136.813 101.095,135.513 105.273,135.513 108.081,130.979 133.425,131.016 141.449,130.917
NetU_Mosfets0_R44_1 on TopSignal "NETU_MOSFETS0_R44_1_L01_P058" (solid, remove dead copper, pour order 58): 108.115,112.702 111.115,112.702 111.115,114.077 110.53,114.931 110.53,115.942 108.969,115.942 108.969,114.931 108.115,114.077
NetU_Mosfets1_Q1_1 on TopSignal "NETU_MOSFETS1_Q1_1_L01_P057" (solid, remove dead copper, pour order 57): 118.707,112.031 119.236,112.559 119.236,114.157 120.714,114.197 120.714,111.942 120.714,109.853 118.743,109.853 118.707,109.889
NetU_Mosfets0_Q1_1 on TopSignal "NETU_MOSFETS0_Q1_1_L01_P056" (solid, remove dead copper, pour order 56): 111.291,111.946 111.82,112.474 111.82,114.072 113.298,114.112 113.298,111.857 113.298,109.768 111.327,109.768 111.291,109.804
NetU_Mosfets1_D16_A on TopSignal "NETU_MOSFETS1_D16_A_L01_P054" (solid, remove dead copper, pour order 54): 113.786,112.842 113.786,114.191 113.464,115.411 113.464,116.411 114.518,116.411 114.518,115.411 114.936,114.191 114.936,112.842
NetU_Mosfets0_D16_A on TopSignal "NETU_MOSFETS0_D16_A_L01_P053" (solid, remove dead copper, pour order 53): 106.37,112.757 106.37,114.106 106.048,115.326 106.048,116.326 107.102,116.326 107.102,115.326 107.52,114.106 107.52,112.757
no net on TopSignal "NONET_L01_P052" (solid, remove dead copper, pour order 52): 108.12,112.757 111.12,112.757 111.12,114.132 110.535,114.986 110.535,115.997 108.974,115.997 108.974,114.986 108.12,114.132
NetU_Mosfets1_R44_1 on TopSignal "NETU_MOSFETS1_R44_1_L01_P051" (solid, remove dead copper, pour order 51): 115.536,112.842 118.536,112.842 118.536,114.217 117.951,115.071 117.951,116.082 116.389,116.082 116.389,115.071 115.536,114.217
+24V_EASED_PWR on TopSignal "+24V_EASED_PWR_L01_P037" (solid, remove dead copper, pour order 37): 170.698,137.772 171.48,137.772 171.48,137.892 171.646,138.057 174.44,138.057 174.44,137.937 174.605,137.772 175.387,137.772 175.387,136.542 174.475,136.542 174.44,136.507 171.646,136.507 171.646,137.377 171.48,137.542 170.698,137.542
+24VFUSED_PWR on TopSignal "+24VFUSED_PWR_L01_P036" (solid, remove dead copper, pour order 36): 171.48,137.272 171.48,136.542 171.678,136.345 174.407,136.345 174.407,135.562 171.678,135.562 170.698,136.542 170.698,137.272
NetC11_2 on TopSignal "NETC11_2_L01_P022" (solid, remove dead copper, pour order 22): 146.135,183.746 144.96,184.921 144.96,184.901 144.627,184.568 141.533,184.568 141.533,189.774 141.733,189.974 144.633,189.974 144.633,186.383 144.96,186.056 144.96,186.046 146.16,186.046 147.218,184.987 147.36,184.987 147.36,183.646 147.26,183.746
no net on Ground "SIGNAL_GND_L02_P025" (solid, remove dead copper, pour order 25): 100,200 100,163.876 126.25,163.876 126.25,157.138 126.25,151.526 120.307,151.526 116.154,147.373 116.154,132.58 120.575,132.65 121.322,132.06 121.387,127.789 121.387,98.958 126.365,93.98 126.441,94.056 204.47,94.056 204.47,197.714 200.66,201.524

## Other copper
TopSignal:

## Silkscreen, mask and mechanical layers (free items; w line width, h text height)
Top Overlay:
  lines w0.254: 171.105,114.25 171.423,114.25 ; 172.325,114.23 172.797,113.758 173.783,113.758 ; 172.561,114.161 cw(c173.275,114.161) 173.275,114.875 ; 173.27,115.107 173.275,114.875 ; 174.017,113.991 174.418,116.345 174.779,114.341 174.25,114.225 ; 174.549,116.311 175.5,114.5 174.25,114.225 ; 176.905,113.418 178,113.75 ; 177.155,112.918 179.25,113.5 ; 177.405,112.418 178.5,112.75 ; 173.275,114.875 cw(c173.275,114.367) 173.783,114.367 173.783,113.758 ; 173.783,113.758 174.25,114.225
  text "Vroom Vroom" at 175.349,115.712 h0.6
Mechanical 1:
  the board outline again, w0.254
Bottom Component Center:
  text "Feito pelo Chen" at 130.229,122.112 h1.52

## Text inside footprints (layer, text, board x,y; h text height)
BT1: Bottom Overlay "+" at 181.738,145.362 h1 r135
C48: Top Overlay "+" at 168.496,141.551 h1.22 r90
C74: Top Overlay "+" at 127.85,127.65 h1.22 r180
C87: Top Overlay "+" at 101.65,155.95 h1.22 r180
C89: Top Overlay "+" at 119.375,133.15 h1.22 r180
C90: Top Overlay "+" at 126.35,155 h1.22
D1: Mechanical 13 "+" at 185.545,136.689 h0.5 r180
D2: Mechanical 13 "+" at 185.533,138.34 h0.5 r180
D3: Mechanical 13 "+" at 185.533,139.991 h0.5 r180
D4: Mechanical 13 "+" at 185.533,141.642 h0.5 r180
D5: Mechanical 13 "+" at 185.533,143.293 h0.5 r180
D6: Mechanical 13 "+" at 185.533,144.944 h0.5 r180
D7: Mechanical 13 "+" at 185.533,146.595 h0.5 r180
D8: Mechanical 13 "+" at 185.533,148.246 h0.5 r180
D11: Mechanical 13 "+" at 174.192,156.824 h0.5 r270
D13: Mechanical 13 "+" at 143.765,130.814 h0.5 r90
D14: Mechanical 13 "+" at 124.758,136.392 h0.5 r180
D17: Mechanical 13 "+" at 133.382,158.48 h0.5 r45
D24: Mechanical 13 "+" at 141.028,126.838 h0.5 r270
D25: Mechanical 13 "+" at 161.566,172.961 h0.5 r180
D26: Mechanical 13 "+" at 210.028,112.557 h0.5
IC1: Top Overlay "Deves ver isto a soldar" at 144.514,142.736 h0.5; Top Overlay "A" at 142.102,155.434 h1 r90; Top Overlay "15" at 155.383,157.618 h1; Top Overlay "224 BGA( o chines gamou o primeiro)" at 147.739,156.079 h0.25; Top Overlay "1" at 144.207,157.745 h1; Top Overlay "R" at 142.382,144.182 h1 r90; Top Overlay "A" at 142.1,155.436 h1 r90; Top Overlay "15" at 155.381,157.621 h1; Top Overlay "1" at 144.205,157.748 h1; Top Overlay "R" at 142.379,144.184 h1 r90
J1: Mechanical 13 "PCB EDGE" at 177.088,100.146 h1.02
J18: Mechanical 13 "VALUE" at 202.953,225 h1.78 r180; Mechanical 13 "NAME" at 211.443,184.159 h1.78 r180
J29: Mechanical 13 "NAME" at 149.446,184.215 h1.78 r180; Mechanical 13 "VALUE" at 140.956,225.056 h1.78 r180
U2: Bottom Overlay "Obg Dr. Bruno / (Tirei as caries)" at 118.88,146.687 h0.6 r90
U3: Top Overlay "*" at 176.46,137.289 h1.27 r180; Mechanical 13 "*" at 174.103,137.289 h1.27 r180
U16: Bottom Overlay "Obg Dr. Bruno / (Tirei as caries)" at 133.14,137.22 h0.6 r90
U_Mosfets0_D16: Mechanical 13 "+" at 106.003,115.023 h0.5 r180
U_Mosfets1_D16: Mechanical 13 "+" at 113.419,115.108 h0.5 r180
U_Mosfets2_D16: Mechanical 13 "+" at 113.673,118.615 h0.5
U_Mosfets3_D16: Mechanical 13 "+" at 105.201,118.729 h0.5
U_Mosfets4_D16: Mechanical 13 "+" at 103.325,148.831 h0.5
U_Mosfets5_D16: Mechanical 13 "+" at 111.183,148.608 h0.5